# KiCad board kicker.kicad_pcb
title: Kicker; date: 2024-06-10; rev: v3.1; company: The A-Team (RC SSL)
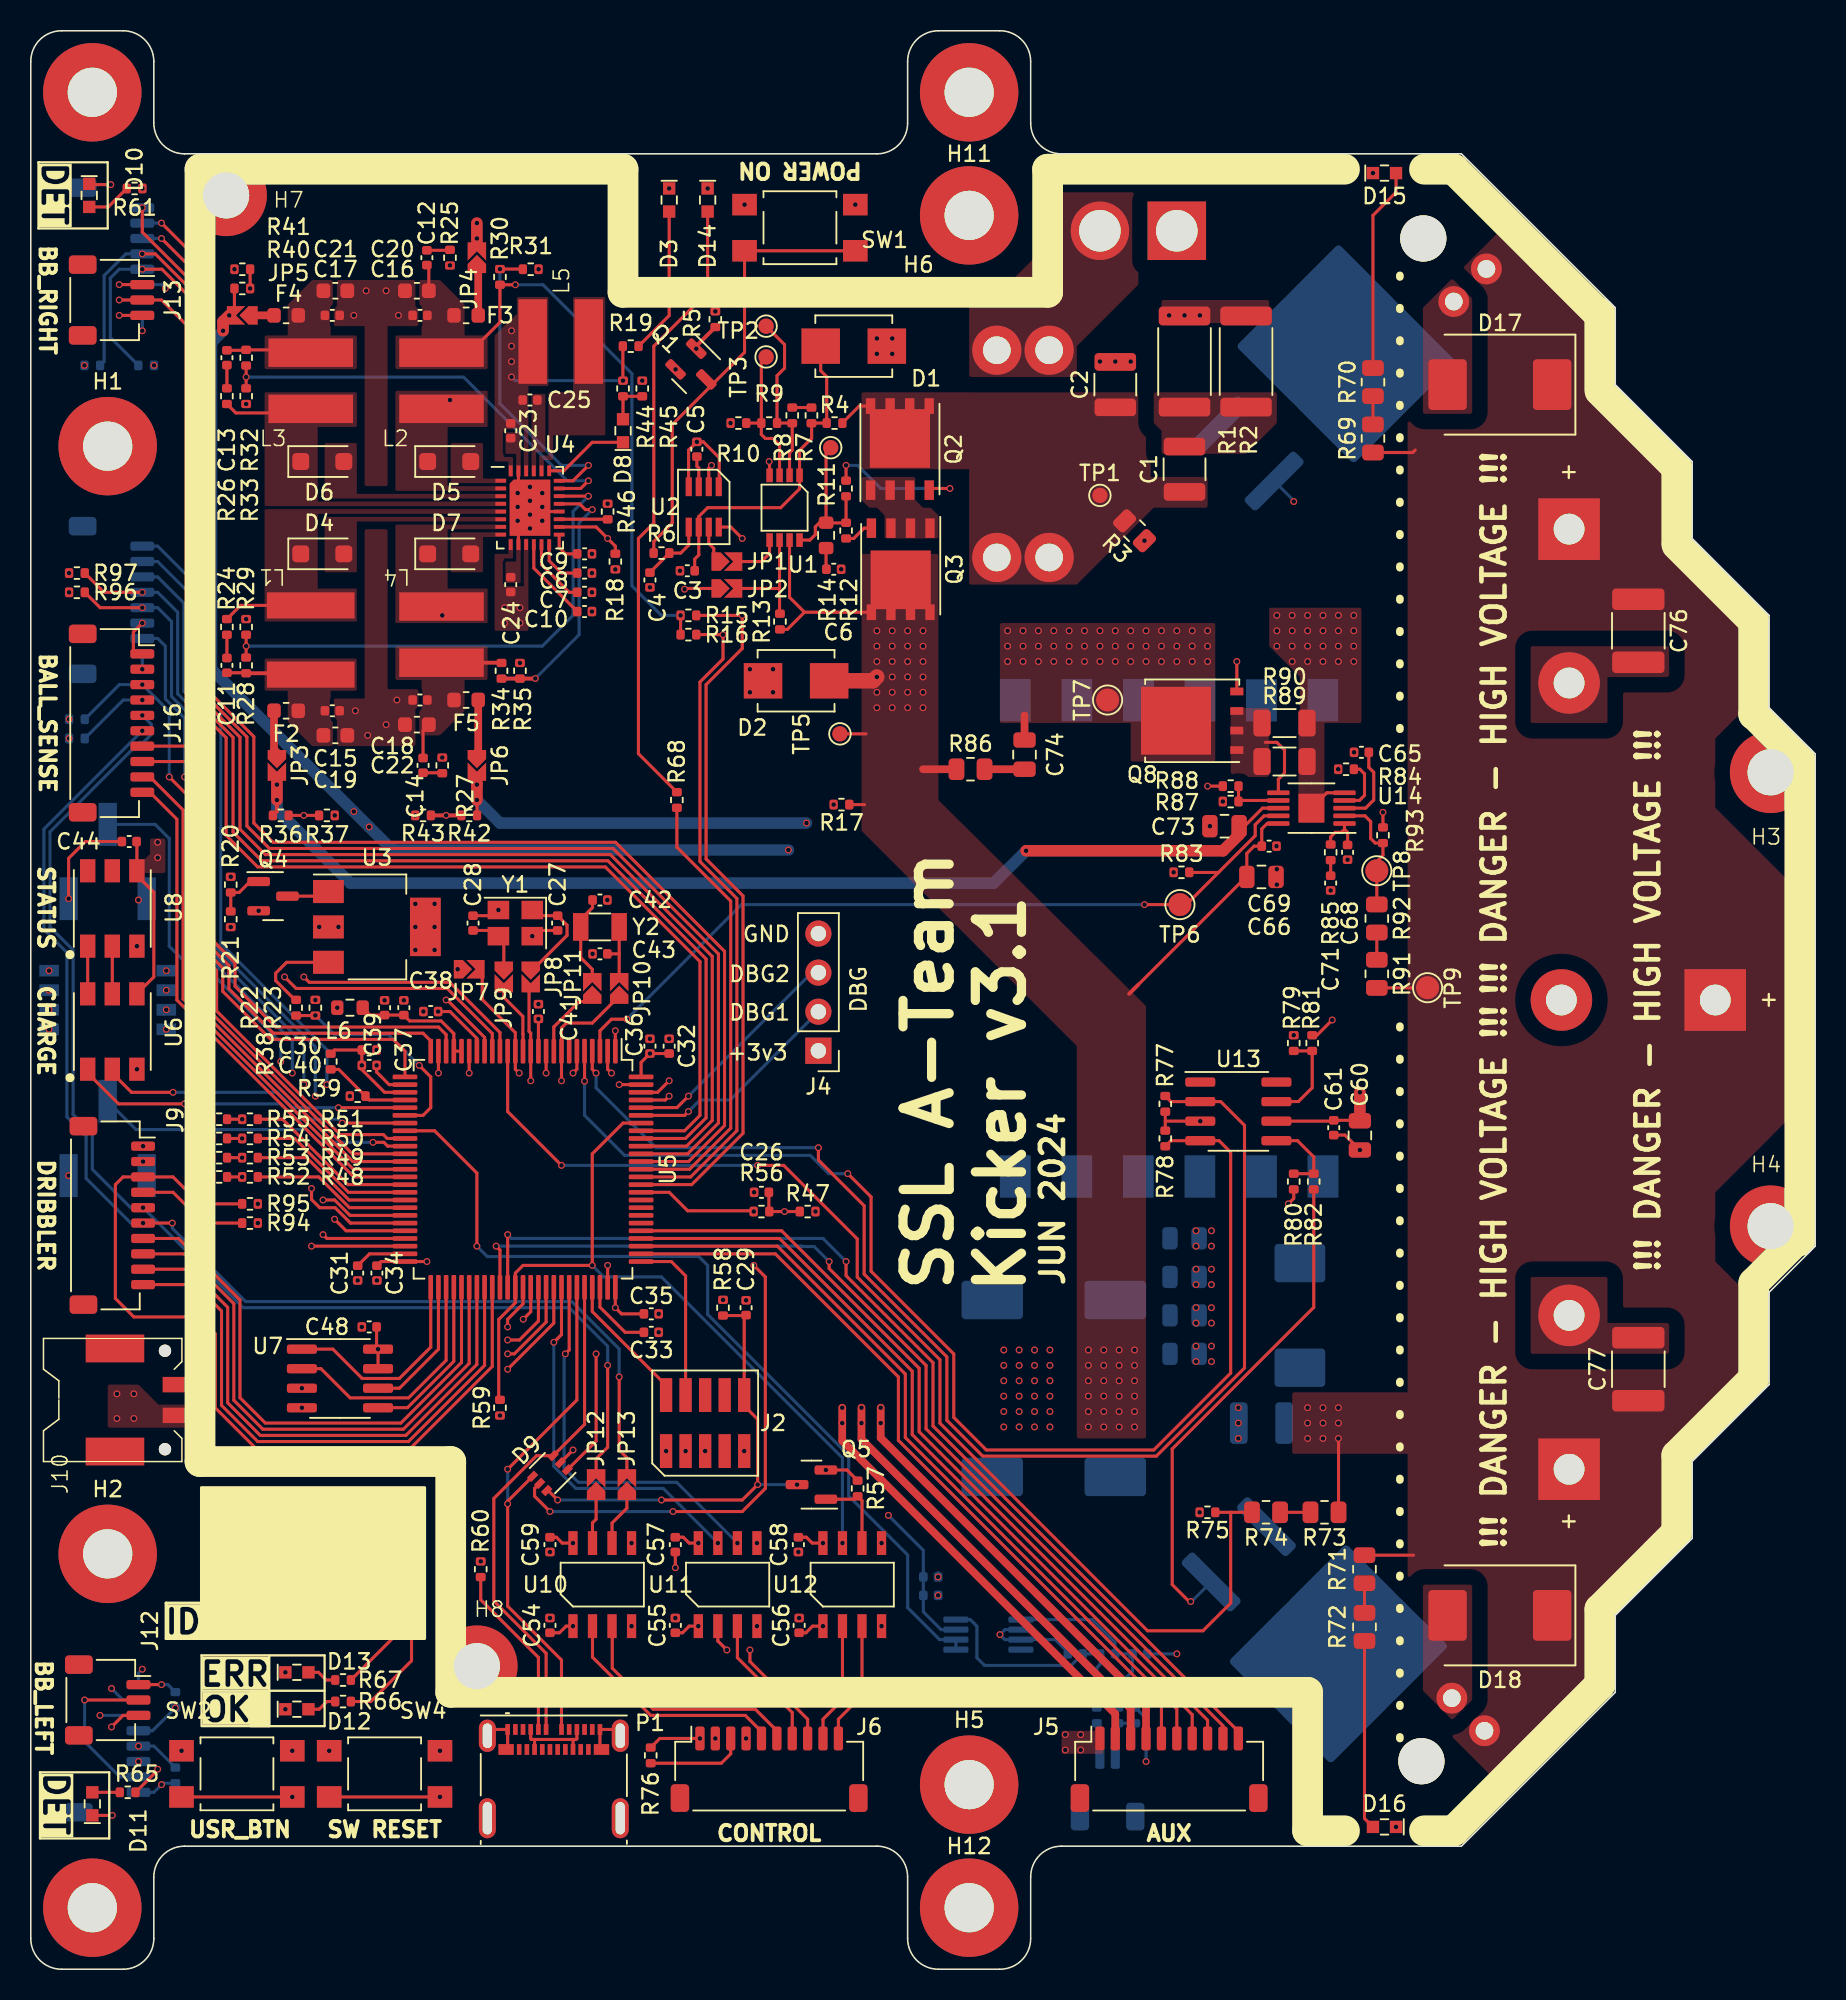
[diagram p0: board, top side]
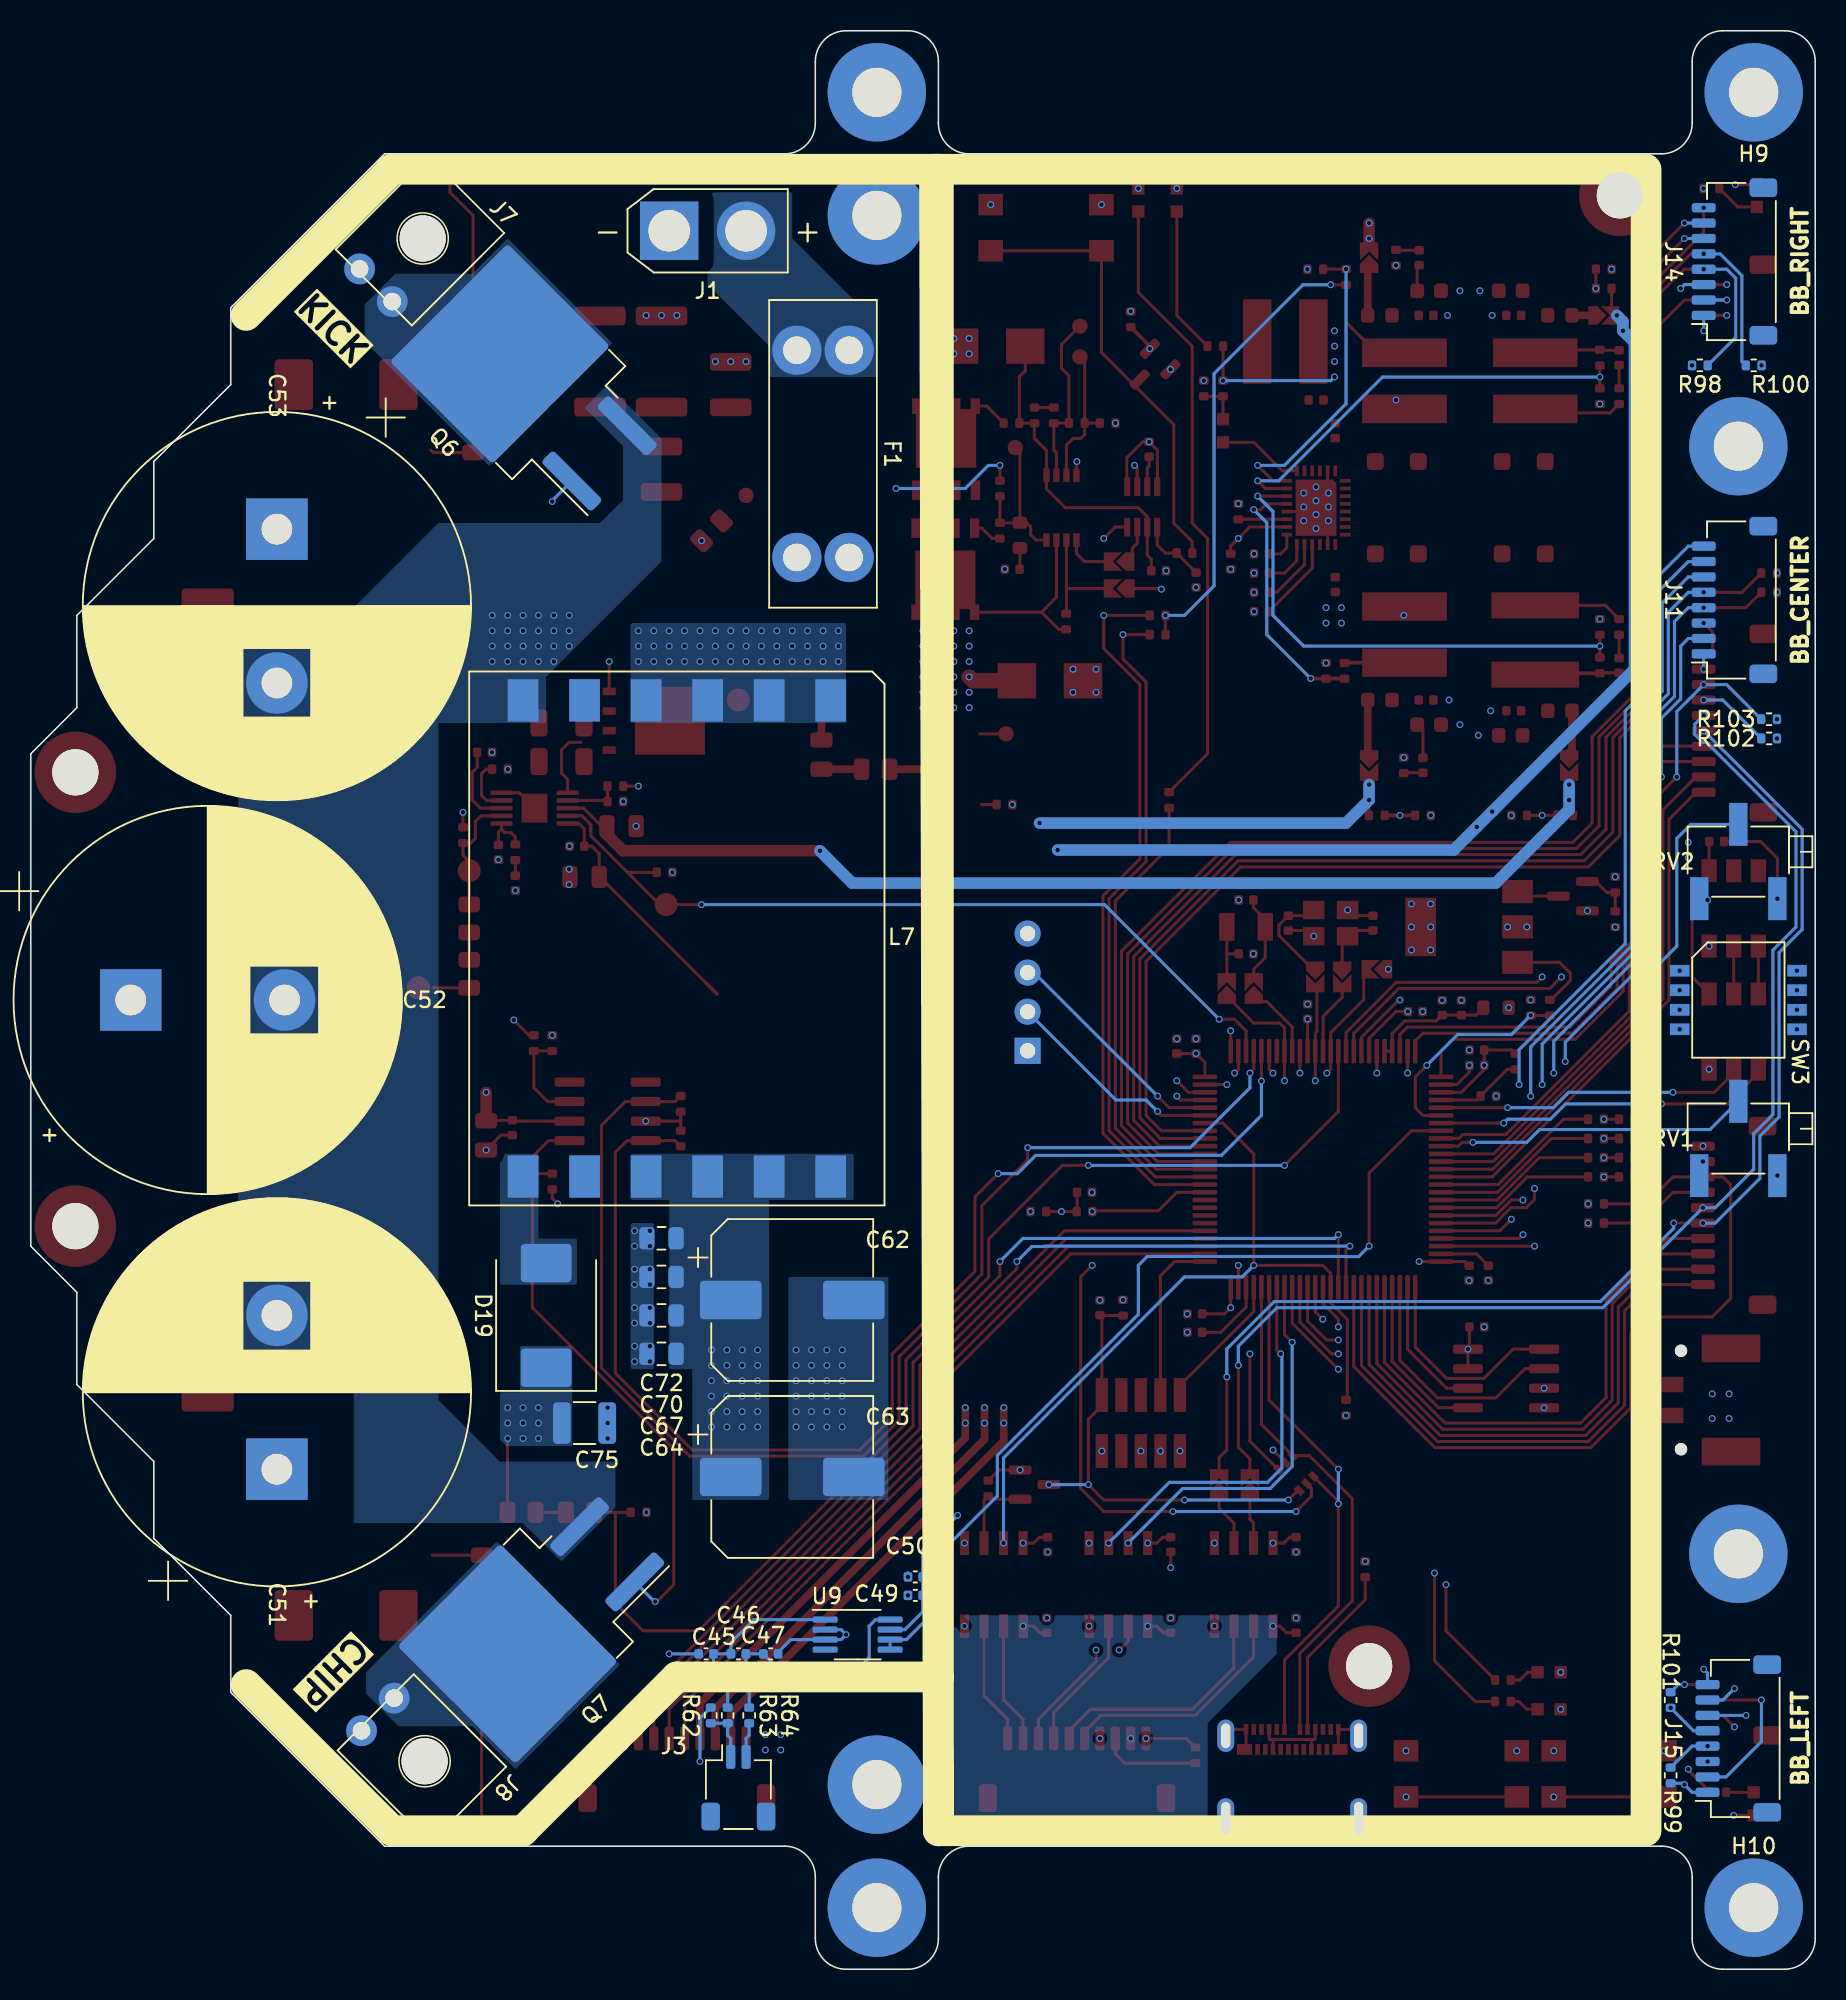
[diagram p1: board, bottom side, seen from below]

Outline 116 x 126 mm; copper layers: Top, In1.Cu, In2.Cu, In3.Cu, In4.Cu, Bottom. Coordinates in mm from the lower left corner of the outline.
Outline path: 0,124 0,2 arc(0.59,0.59) 2,0 6,0 arc(7.41,0.59) 8,2 8,6 arc(8.59,7.41) 10,8 55,8 arc(56.41,7.41) 57,6 57,2 arc(57.59,0.59) 59,0 63,0 arc(64.41,0.59) 65,2 65,6 arc(65.59,7.41) 67,8 93,8 103,18 103,23 108,28 108,33 113,38 113,44 116,47 116,79 113,82 113,88 108,93 108,98 103,103 103,108 93,118 67,118 arc(65.59,118.59) 65,120 65,124 arc(64.41,125.41) 63,126 59,126 arc(57.59,125.41) 57,124 57,120 arc(56.41,118.59) 55,118 10,118 arc(8.59,118.59) 8,120 8,124 arc(7.41,125.41) 6,126 2,126 arc(0.59,125.41) 0,124
Stack: Top 0.035mm / dielectric 0.1mm FR4 er 4.5 / In1.Cu 0.035mm / dielectric 0.535mm FR4 er 4.5 / In2.Cu 0.035mm / dielectric 0.1mm FR4 er 4.5 / In3.Cu 0.035mm / dielectric 0.535mm FR4 er 4.5 / In4.Cu 0.035mm / dielectric 0.1mm FR4 er 4.5 / Bottom 0.035mm

## Placement (name value [footprint] x y rotation side)
C1  10u 100V  [C_1210_3225Metric]  75 97.5 90 top
C2  10u 100V  [C_1210_3225Metric]  70.5 103 90 top
C3  100n 50V  [C_0402_1005Metric]  42.68 90.9 180 top
C4  100n 50V  [C_0402_1005Metric]  40.25 90.3 270 top
C5  100n 50V  [C_0402_1005Metric]  43.3 98.8 90 top
C6  4.7n 63V  [C_0402_1005Metric]  52.2 91 0 top
C7  10n 50V  [C_0402_1005Metric]  36 89.5 0 top
C8  10n 50V  [C_0402_1005Metric]  36 90.75 0 top
C9  470n 6.3V  [C_0402_1005Metric]  36 92 0 top
C10  470n 6.3V  [C_0402_1005Metric]  36 88.25 0 top
C11  1n 50V  [C_0402_1005Metric]  12.75 84.75 270 top
C12  1n 50V  [C_0402_1005Metric]  25.75 111.25 270 top
C13  1n 50V  [C_0402_1005Metric]  12.75 104.75 90 top
C14  1n 50V  [C_0402_1005Metric]  25.5 78.25 90 top
C15  1u 50V  [C_0402_1005Metric]  19.6 81.8 0 top
C16  1u 50V  [C_0402_1005Metric]  25.3 107.5 180 top
C17  1u 50V  [C_0402_1005Metric]  19.6 107.5 0 top
C18  1u 50V  [C_0402_1005Metric]  25.3 82.5 180 top
C19  10u 25V  [C_0603_1608Metric]  19.8 80.2 0 top
C20  10u 25V  [C_0603_1608Metric]  25.1 109.1 180 top
C21  10u 25V  [C_0603_1608Metric]  19.8 109.1 0 top
C22  10u 25V  [C_0603_1608Metric]  25.1 80.9 180 top
C23  1u 50V  [C_0402_1005Metric]  31.2 100 270 top
C24  1u 50V  [C_0402_1005Metric]  31.2 90 90 top
C25  1u 50V  [C_0402_1005Metric]  32.45 102 180 top
C26  100n 50V  [C_0402_1005Metric]  47.5 50.5 180 top
C27  11pF  [C_0402_1005Metric]  34.25 68 270 top
C28  11pF  [C_0402_1005Metric]  28.75 68 90 top
C29  100n 50V  [C_0402_1005Metric]  46.5 43 90 top
C30  4.7u 6.3V  [C_0402_1005Metric]  22 59.75 180 top
C31  4.7u 6.3V  [C_0402_1005Metric]  21.25 45.25 90 top
C32  4.7u 6.3V  [C_0402_1005Metric]  41.5 60 270 top
C33  4.7u 6.3V  [C_0402_1005Metric]  40.34 41.4 180 top
C34  100n 50V  [C_0402_1005Metric]  22.5 45.25 270 top
C35  100n 50V  [C_0402_1005Metric]  40.34 42.6 0 top
C36  100n 50V  [C_0402_1005Metric]  40.25 60 90 top
C37  100n 50V  [C_0402_1005Metric]  24.25 62.5 90 top
C38  100n 50V  [C_0402_1005Metric]  26 62.25 180 top
C39  1u 50V  [C_0402_1005Metric]  23 62.5 90 top
C40  100n 50V  [C_0402_1005Metric]  22 58.75 0 top
C41  100n 50V  [C_0402_1005Metric]  33 62.25 90 top
C42  15pF  [C_0402_1005Metric]  37 69.5 0 top
C43  15pF  [C_0402_1005Metric]  37 66 180 top
C44  4.7u 6.3V  [C_0402_1005Metric]  6.4 73.3 0 top
C45  10n 50V  [C_0402_1005Metric]  72.1 20.5 180 bottom
C46  100n 50V  [C_0402_1005Metric]  70 20.5 180 bottom
C47  10n 50V  [C_0402_1005Metric]  67.9 20.5 180 bottom
C48  100n 50V  [C_0402_1005Metric]  22 41.75 0 top
C49  100n 50V  [C_0402_1005Metric]  58.5 24.3 0 bottom
C50  10u 6.3V  [C_0402_1005Metric]  58.5 25.5 180 bottom
C51  1000uF 200V  [CP_Radial_D25.0mm_P10.00mm_SnapIn]  100 32.5 90 bottom
C52  1000uF 200V  [CP_Radial_D25.0mm_P10.00mm_SnapIn]  109.5 63 180 bottom
C53  1000uF 200V  [CP_Radial_D25.0mm_P10.00mm_SnapIn]  100 93.61 270 bottom
C54  100n 50V  [C_0402_1005Metric]  33.75 22.35 90 top
C55  100n 50V  [C_0402_1005Metric]  41.9 22.35 90 top
C56  100n 50V  [C_0402_1005Metric]  49.95 22.35 90 top
C57  100n 50V  [C_0402_1005Metric]  41.9 27.6 270 top
C58  100n 50V  [C_0402_1005Metric]  49.9 27.6 270 top
C59  100n 50V  [C_0402_1005Metric]  33.75 27.6 270 top
C60  10u 50V  [C_0805_2012Metric]  86.4 54.2 270 top
C61  100n 50V  [C_0402_1005Metric]  84.7 54.7 270 top
C62  220u 50V  [CP_Elec_10x10]  66.5 43.5 180 bottom
C63  220u 50V  [CP_Elec_10x10]  66.5 32 180 bottom
C64  10u 50V  [C_0805_2012Metric]  75 40 0 bottom
C65  10n 50V  [C_0402_1005Metric]  86.5 79.1 180 top
C66  10u 50V  [C_0805_2012Metric]  80 71 0 top
C67  10u 50V  [C_0805_2012Metric]  75 42.5 0 bottom
C68  100n 50V  [C_0402_1005Metric]  85.6 72.6 270 top
C69  100n 50V  [C_0402_1005Metric]  80.5 73 0 top
C70  10u 50V  [C_0805_2012Metric]  75 45 0 bottom
C71  6.8n 50V  [C_0402_1005Metric]  84.5 70.6 270 top
C72  10u 50V  [C_0805_2012Metric]  75 47.51 0 bottom
C73  4.7u 50V  [C_0805_2012Metric]  77.6 74.3 180 top
C74  100n 200V  [C_0805_2012Metric]  64.6 78.95 90 top
C75  100n 500V  [C_1210_3225Metric]  80 35.5 180 bottom
C76  470n 500V  [C_1812_4532Metric]  104.5 87 270 top
C77  470n 500V  [C_1812_4532Metric]  104.5 39 90 top
D1  824521261  [D_SMB_Non-Polar]  53.5 105.5 180 top
D2  824521261  [D_SMB_Non-Polar]  49.75 83.75 0 top
D3  XL-1608UWC-04  [LED0603]  41.5 115 270 top
D4  DSS14U  [D_SOD-123F]  18.95 92 0 top
D5  DSS14U  [D_SOD-123F]  27.2 98 0 top
D6  DSS14U  [D_SOD-123F]  18.95 98 0 top
D7  DSS14U  [D_SOD-123F]  27.2 92 0 top
D8  XL-1608SURC-06  [LED0603]  38.5 100 90 top
D9  PESD3V3L5UY  [SOT-363_SC-70-6]  33.75 32.25 225 top
D10  XL-1608UBC-04  [LED0603]  3.8 115.3 270 top
D11  XL-1608UBC-04  [LED0603]  4 10.75 90 top
D12  XL-1608UGC-04  [LED0603]  17.3 16.9 0 top
D13  XL-1608SURC-06  [LED0603]  17.3 19.3 0 top
D14  XL-1608UOC-06  [LED0603]  44 115 270 top
D15  XL-1608SURC-06  [LED0603]  88 116.75 0 top
D16  XL-1608SURC-06  [LED0603]  88 9.25 180 top
D17  MURS460  [D_SMC]  95.5 103 180 top
D18  MURS460  [D_SMC]  95.5 23 180 top
D19  HS5M  [D_SMC]  82.5 42.5 90 bottom
F1  15A  [3557-2]  64.5 98.5 270 bottom
F2  1.0A  [Fuse_0603_1608Metric]  16.6 81.8 180 top
F3  1.0A  [Fuse_0603_1608Metric]  28.3 107.5 0 top
F4  1.0A  [Fuse_0603_1608Metric]  16.6 107.5 180 top
F5  1.0A  [Fuse_0603_1608Metric]  28.3 82.5 0 top
H1  M3  [MountingHole_3.2mm_M3_Pad]  5 99 0 top
H2  M3  [MountingHole_3.2mm_M3_Pad]  5 27 0 top
H3  9774005243R  [WE-9774005243R]  113.1 77.8 0 top
H4  9774005243R  [WE-9774005243R]  113.1 48.3 0 top
H5  M3  [MountingHole_3.2mm_M3_Pad]  61 12 0 top
H6  M3  [MountingHole_3.2mm_M3_Pad]  61 114 0 top
H7  9774005243R  [WE-9774005243R]  12.7 115.3 0 top
H8  9774005243R  [WE-9774005243R]  29 19.7 0 top
H9  M3  [MountingHole_3.2mm_M3_Pad]  4 122 0 top
H10  M3  [MountingHole_3.2mm_M3_Pad]  4 4 0 top
H11  M3  [MountingHole_3.2mm_M3_Pad]  61 122 0 top
H12  M3  [MountingHole_3.2mm_M3_Pad]  61 4 0 top
J1  XT30-F  [AMASS_XT30U-M_1x02_P5.0mm_Vertical]  74.5 113 180 bottom
J2  Conn_ARM_JTAG_SWD_10  [Samtec-2x5pin-0.5mm]  43.84 35.5 0 top
J3  Conn_01x02  [JST_SH_SM02B-SRSS-TB_1x02-1MP_P1.00mm_Horizontal]  70 11.8 180 bottom
J4  Conn_01x04_Pin  [PinHeader_1x04_P2.54mm_Vertical]  51.2 59.7 180 top
J5  Conn_01x10  [JST_SH_SM10B-SRSS-TB_1x10-1MP_P1.00mm_Horizontal]  74 13 0 top
J6  Conn_01x10  [JST_SH_SM10B-SRSS-TB_1x10-1MP_P1.00mm_Horizontal]  48 13 0 top
J7  Conn_01x02  [2157601002]  90.52 112.5 45 bottom
J8  Conn_01x02  [2157601002]  90.4 13.52 135 bottom
J9  Conn_01x10  [JST_SH_SM10B-SRSS-TB_1x10-1MP_P1.00mm_Horizontal]  5.3 49 270 top
J10  Conn_01x02  [SM02B-PASS-TBT]  8.57 37 90 top
J11  Conn_01x08  [JST_SH_SM08B-SRSS-TB_1x08-1MP_P1.00mm_Horizontal]  5.25 89 90 bottom
J12  Conn_01x03  [JST_SH_SM03B-SRSS-TB_1x03-1MP_P1.00mm_Horizontal]  5 17.5 270 top
J13  Conn_01x03  [JST_SH_SM03B-SRSS-TB_1x03-1MP_P1.00mm_Horizontal]  5.25 108.5 270 top
J14  Conn_01x08  [JST_SH_SM08B-SRSS-TB_1x08-1MP_P1.00mm_Horizontal]  5.25 111 90 bottom
J15  Conn_01x08  [JST_SH_SM08B-SRSS-TB_1x08-1MP_P1.00mm_Horizontal]  5 15 90 bottom
J16  Conn_01x10  [JST_SH_SM10B-SRSS-TB_1x10-1MP_P1.00mm_Horizontal]  5.25 81 270 top
JP1  BTN_EN  [SolderJumper-2_2.0x1.2mm_Closed]  45.25 91.5 0 top
JP2  PWR_EN  [SolderJumper-2_2.0x1.2mm_Closed]  45.25 89.75 0 top
JP3  12v0 EN  [SolderJumper-2_2.0x1.2mm_Open]  16 78.25 270 top
JP4  3v3 EN  [SolderJumper-2_2.0x1.2mm_Open]  29 111.25 90 top
JP5  5v0 EN  [SolderJumper-2_2.0x1.2mm_Open]  13.75 107.5 180 top
JP6  6v2 EN  [SolderJumper-2_2.0x1.2mm_Open]  29 78.25 270 top
JP7  Disable Micro  [SolderJumper-2_2.0x1.2mm_Open]  28.5 65 0 top
JP8  8MHZ_CLK_LOCAL  [SolderJumper-2_2.0x1.2mm_Closed]  32.5 64.5 270 top
JP9  8MHZ_CLK_LOCAL  [SolderJumper-2_2.0x1.2mm_Closed]  30.75 64.5 270 top
JP10  32KHZ_CLK_LOCAL  [SolderJumper-2_2.0x1.2mm_Closed]  38.25 63.75 90 top
JP11  32KHZ_CLK_LOCAL  [SolderJumper-2_2.0x1.2mm_Closed]  36.5 63.75 90 top
JP12  8MHZ_CLK_EXT  [SolderJumper-2_2.0x1.2mm_Closed]  36.75 31.5 90 top
JP13  32KHZ_CLK_EXT  [SolderJumper-2_2.0x1.2mm_Closed]  38.75 31.5 90 top
L1  ASPI-6045S-220M-T  [ASPI-6045S]  18.2 86.4 180 top
L2  SDCHA1V5040-150-R  [SDCHA1V50]  26.7 103.25 0 top
L3  SDCHA1V5040-150-R  [SDCHA1V50]  18.2 103.25 0 top
L4  SDCHA1V5040-150-R  [SDCHA1V50]  26.7 86.75 180 top
L5  SDCHA1V5040-150-R  [SDCHA1V50]  34.45 105.8 90 top
L6  650 @100MHz  [R_0603_1608Metric]  20.75 62.5 0 top
L7  GA3460-BL  [GA34XX-BL]  74 67 0 bottom
P1  USB_C_Plug_USB2.0  [USB_C_Receptacle_Molex_105450-0101]  34 12.37 0 top
Q1  BSS138K  [SOT-23]  43.25 104 315 top
Q2  SQJA80EP-T1_GE3  [PowerPAK_SO-8L_Single]  56.5 98.81 90 top
Q3  SQJA80EP-T1_GE3  [PowerPAK_SO-8L_Single]  56.55 91 270 top
Q4  SI2310-TP  [SOT-23]  15.75 69.75 0 top
Q5  BSS138K  [SOT-23]  50.75 31.5 180 top
Q6  IXGA48N60A3  [TO-263-2]  84.44 103.94 45 bottom
Q7  IXGA48N60A3  [TO-263-2]  83.94 21.56 315 bottom
Q8  BSC0402NSATMA1  [TDSON-8-1]  75.5 81.15 180 top
R1  1  [R_2512_6332Metric]  75 104.5 90 top
R2  1  [R_2512_6332Metric]  79 104.5 90 top
R3  1.47M  [R_0805_2012Metric]  71.75 93.5 135 top
R4  1k  [R_0402_1005Metric]  52.25 100.5 0 top
R5  10k  [R_0402_1005Metric]  44.5 107.25 270 top
R6  1k  [R_0402_1005Metric]  41 92.05 180 top
R7  10M  [R_0402_1005Metric]  50.75 101 90 top
R8  1.5M  [R_0402_1005Metric]  49.5 101 270 top
R9  69.8k  [R_0402_1005Metric]  48 100.5 180 top
R10  232k  [R_0402_1005Metric]  46 100.5 0 top
R11  10  [R_0402_1005Metric]  53 96.25 270 top
R12  10  [R_0402_1005Metric]  53 93.51 270 top
R13  10k  [R_0402_1005Metric]  48.7 87.6 90 top
R14  5.1k  [R_0603_1608Metric]  51.7 93.2 270 top
R15  1.5M  [R_0402_1005Metric]  42.75 88 0 top
R16  1.5M  [R_0402_1005Metric]  42.75 86.75 0 top
R17  100k  [R_0402_1005Metric]  52.7 75.7 180 top
R18  100k  [R_0402_1005Metric]  38 91.5 270 top
R19  23.2k  [R_0402_1005Metric]  39 105.5 0 top
R20  10  [R_0402_1005Metric]  13 70.5 90 top
R21  4.7k  [R_0402_1005Metric]  13 68.25 270 top
R22  210k  [R_0402_1005Metric]  17.25 62.5 270 top
R23  10k  [R_0402_1005Metric]  18.5 62.5 90 top
R24  1k  [R_0402_1005Metric]  12.75 87.25 270 top
R25  1k  [R_0402_1005Metric]  27.25 111.25 90 top
R26  1k  [R_0402_1005Metric]  12.75 102.25 90 top
R27  1k  [R_0402_1005Metric]  26.75 78.25 270 top
R28  140k  [R_0402_1005Metric]  14 84.75 90 top
R29  10k  [R_0402_1005Metric]  14 87.25 90 top
R30  31.6k  [R_0402_1005Metric]  30.5 110 90 top
R31  10k  [R_0402_1005Metric]  32.5 110.5 0 top
R32  53.6k  [R_0402_1005Metric]  14 104.75 270 top
R33  10k  [R_0402_1005Metric]  14 102.25 270 top
R34  68.1k  [R_0402_1005Metric]  30.6 84.4 270 top
R35  10k  [R_0402_1005Metric]  31.8 84.4 90 top
R36  110k  [R_0402_1005Metric]  16.25 75 0 top
R37  10k  [R_0402_1005Metric]  19.25 75 0 top
R38  23.2k  [R_0402_1005Metric]  19.5 59 270 top
R39  10k  [R_0402_1005Metric]  21.25 56.75 180 top
R40  40.2k  [R_0402_1005Metric]  13.75 109.25 0 top
R41  10k  [R_0402_1005Metric]  13.75 110.5 180 top
R42  52.3k  [R_0402_1005Metric]  28.5 75 180 top
R43  10k  [R_0402_1005Metric]  25.5 75 180 top
R44  5.1k  [R_0402_1005Metric]  38.5 102.75 270 top
R45  5.1k  [R_0402_1005Metric]  39.75 102.75 270 top
R46  10.7k  [R_0402_1005Metric]  37.5 94.75 90 top
R47  10k  [R_0402_1005Metric]  50.5 49.25 0 top
R48  330  [R_0402_1005Metric]  14.25 51.5 0 top
R49  330  [R_0402_1005Metric]  14.25 52.75 0 top
R50  330  [R_0402_1005Metric]  14.25 54 0 top
R51  330  [R_0402_1005Metric]  14.25 55.25 0 top
R52  10k  [R_0402_1005Metric]  12.25 51.5 0 top
R53  10k  [R_0402_1005Metric]  12.25 52.75 0 top
R54  10k  [R_0402_1005Metric]  12.25 54 0 top
R55  10k  [R_0402_1005Metric]  12.25 55.25 0 top
R56  330  [R_0402_1005Metric]  47.5 49.25 0 top
R57  100k  [R_0402_1005Metric]  53.75 31.25 90 top
R58  10k  [R_0402_1005Metric]  45 43 270 top
R59  10k  [R_0402_1005Metric]  30.5 36.5 90 top
R60  5.1k  [R_0402_1005Metric]  29.25 26 90 top
R61  10k  [R_0402_1005Metric]  6.75 115.75 180 top
R62  1M  [R_0402_1005Metric]  71.8 16.5 270 bottom
R63  10k  [R_0402_1005Metric]  70.7 16.5 90 bottom
R64  10k  [R_0402_1005Metric]  69.3 16.5 90 bottom
R65  10k  [R_0402_1005Metric]  6.3 11.5 180 top
R66  10k  [R_0402_1005Metric]  20.3 17.4 180 top
R67  10k  [R_0402_1005Metric]  20.3 18.8 180 top
R68  10k  [R_0402_1005Metric]  42 76 90 top
R69  1.47M  [R_0805_2012Metric]  87.25 99.5 90 top
R70  1.47M  [R_0805_2012Metric]  87.25 103.16 90 top
R71  1.47M  [R_0805_2012Metric]  86.7 26 270 top
R72  1.47M  [R_0805_2012Metric]  86.7 22.25 270 top
R73  475k  [R_0805_2012Metric]  84.1 29.7 180 top
R74  475k  [R_0805_2012Metric]  80.3 29.7 180 top
R75  4.75k  [R_0402_1005Metric]  76.49 29.7 180 top
R76  330  [R_0402_1005Metric]  40.3 13.9 270 top
R77  10k  [R_0402_1005Metric]  73.75 56.25 270 top
R78  10k  [R_0402_1005Metric]  73.75 54 90 top
R79  100k  [R_0402_1005Metric]  82.1 60.2 90 top
R80  100k  [R_0402_1005Metric]  82.1 51.2 270 top
R81  10  [R_0402_1005Metric]  83.3 60.2 90 top
R82  10  [R_0402_1005Metric]  83.4 51.2 270 top
R83  1k  [R_0402_1005Metric]  74.8 71.3 180 top
R84  140k  [R_0402_1005Metric]  85.5 78 0 top
R85  22k  [R_0402_1005Metric]  84.5 72.6 90 top
R86  1  [R_0805_2012Metric]  61.09 78 0 top
R87  100k  [R_0402_1005Metric]  78 75.9 0 top
R88  10  [R_0402_1005Metric]  78 76.9 180 top
R89  4m  [R_1206_3216Metric]  81.5 78.5 180 top
R90  4m  [R_1206_3216Metric]  81.5 81 180 top
R91  976k 0.1%  [R_0805_2012Metric]  87.5 64.7 270 top
R92  976k 0.1%  [R_0805_2012Metric]  87.5 68.3 270 top
R93  17.4k 0.1%  [R_0402_1005Metric]  87.9 73.71 270 top
R94  10k  [R_0402_1005Metric]  14.25 48.5 180 top
R95  10k  [R_0402_1005Metric]  14.25 49.75 180 top
R96  2.1k  [R_0402_1005Metric]  3 89.5 0 top
R97  2.1k  [R_0402_1005Metric]  3 90.75 0 top
R98  2.1k  [R_0402_1005Metric]  7.5 104.25 180 bottom
R99  2.1k  [R_0402_1005Metric]  9.4 12.6 90 bottom
R100  2.1k  [R_0402_1005Metric]  4 104.25 0 bottom
R101  2.1k  [R_0402_1005Metric]  9.4 17.5 270 bottom
R102  10k  [R_0402_1005Metric]  3 80 0 bottom
R103  10k  [R_0402_1005Metric]  3 81.25 0 bottom
RV1  ACFG1  [Potentiometer_Bourns_3269X_Horizontal]  5 54 0 bottom
RV2  ACFG2  [Potentiometer_Bourns_3269X_Horizontal]  5 72 0 bottom
SW1  PWR_ON  [SW_SPST_TL3305A]  50 113.2 0 top
SW2  BTN0  [SW_SPST_TL3305A]  13.4 12.7 180 top
SW3  SW_DIP_x04  [CHP-041TB]  5 63 270 bottom
SW4  RST  [SW_SPST_TL3305A]  23 12.7 0 top
TP1  VBatt EOS  [TestPoint_Pad_D1.0mm]  69.5 95.8 0 top
TP2  LTC4367 UV EOS  [TestPoint_Pad_D1.0mm]  47.8 106.8 0 top
TP3  LTC4367 OV EOS  [TestPoint_Pad_D1.0mm]  47.8 104.8 90 top
TP4  Gate SS  [TestPoint_Pad_D1.0mm]  52 98.9 0 top
TP5  VBatt Sys  [TestPoint_Pad_D1.0mm]  52.6 80.3 90 top
TP6  CHG_EN  [TestPoint_Pad_D1.5mm]  74.7 69.2 0 top
TP7  SPICE: V_{drain} <<<HIGH VOLTAGE>>>  [TestPoint_Pad_D1.5mm]  70 82.5 90 top
TP8  FB  [TestPoint_Pad_D1.5mm]  87.5 71.4 270 top
TP9  SPICE: V_{out} <<<HIGH VOLTAGE>>>  [TestPoint_Pad_D1.5mm]  90.8 63.8 270 top
U1  LTC4367  [MS8]  49 95 180 top
U2  LTC2955-1  [LTC2955-TS8]  43.75 95.05 180 top
U3  ITS4140N  [SOT-223]  22.5 67.75 0 top
U4  LT3504  [UFD]  32.45 95 0 top
U5  STM32F407VETx  [LQFP-100_14x14mm_P0.5mm]  32 52 270 top
U6  -  [SK9822]  5.3 60.95 270 top
U7  AT25DF041x-UxN-x  [SOIC-8_3.9x4.9mm_P1.27mm]  20.1 38.4 0 top
U8  -  [SK9822]  5.3 68.95 270 top
U9  AD8494  [MSOP-8_3x3mm_P0.65mm]  62.25 21.75 180 bottom
U10  ISO6720FB  [ISO672X]  37.15 25 0 top
U11  ISO6721FB  [ISO672X]  45.3 25 0 top
U12  ISO6720FB  [ISO672X]  53.4 25 0 top
U13  IX4427  [SOIC-8_3.9x4.9mm_P1.27mm]  78.5 55.76 0 top
U14  LT3757EMSE  [MSOP-10-1EP_3x3mm_P0.5mm_EP1.68x1.88mm]  83.25 75.47 180 top
Y1  TAXM8M4RDBCCT2T  [Crystal_SMD_3225-4Pin_3.2x2.5mm]  31.5 68 180 top
Y2  Q13FC13500005  [Crystal_SMD_3215-2Pin_3.2x1.5mm]  37 67.75 180 top
